# KiCad board st225_20301.kicad_pcb (continued)
## Routing (per net, layer and track width the routed paths; a pad name or vN(x,y) marks a point on that pad's centre or on a via; arc(x,y) is an arc through that point) (continued)
Net-(J6-Pin_5): length 53.1
  Top w0.254: J6.5 119,161.16 119,159.51 118.36,158.88 113.79,158.88 113.41,159.26 R39.2 ; RP10.4 125.98,175.26 125.98,167.64 124.84,166.5 v1(124.71,166.5) ; TP4.1 135.51,179.07 v1(130.43,179.07)
  Bottom w0.254: J6.5 121.16,162.56 122.94,162.56 124.71,164.34 v1(124.71,166.5) ; v1(130.43,179.07) 130.43,177.67 129.29,176.53 RP10.4
  Bottom w0.762: RP6.4 RP10.4
Net-(J7-Pin_11): length 76.7
  Top w0.254: v1(42.04,69.98) 36.07,69.98 35.43,70.61 32.51,70.61 31.75,69.85 27.94,69.85 26.42,71.37 22.85,71.37 22.85,71.37
  Top w0.762: J7.15 J7.9
  Bottom w0.254: v1(42.04,69.98) 42.04,34.29 R62.1 41.91,31.88 41.91,26.8 R61.2 J7.9
Net-(L1-Pad1): length 2.7
  Bottom w0.508: R1.1 60.58,155.07 59.94,154.43
Net-(L2-Pad1): length 3.3
  Bottom w0.508: R2.1 56.13,154.94 56.13,154.31
Net-(Q1-B): length 29.7
  Top w0.254: Q1.3 120.65,56.64 119.25,55.25 v1(119.25,43.18)
  Bottom w0.254: R22.1 116.84,40.01 116.84,40.77 v1(119.25,43.18)
  Bottom w0.762: R20.2 124.97,56.71 Q1.3
Net-(Q2-B): length 65.4
  Top w0.254: R78.1 133.1,91.19 133.1,88.9 131.75,87.55 131.75,82.47 130.68,81.41 130.68,60.96 131.44,60.2 131.44,54.48 134.49,51.44 R82.2 ; 125.03,47.62 127,47.62 127.76,46.86 131.44,46.86 132.33,45.97 132.33,44.83 v1(134.11,43.05)
  Bottom w0.254: v1(134.11,43.05) 135.38,44.32 R82.2
Net-(Q2-E): length 61.3
  Top w1.27: R23.1 116.97,92.46 113.79,89.28 R27.1 115.01,85.27 Q4.1 ; v1(122.68,55.37) 122.68,44.9 Q2.1
  Bottom w1.27: Q4.1 117.09,78.11 118.87,76.33 118.87,69.98 119.25,69.6 119.25,64.01 122.68,60.58 v1(122.68,55.37)
Net-(Q3-B): length 33
  Top w0.508: v1(112.52,80.14) R29.1
  Top w1.016: R28.2 109.47,63.12 111.89,63.12 112.9,64.14 115,64.14
  Bottom w0.254: v1(112.52,80.14) 108.08,80.14 106.3,78.36 106.3,72.26 107.95,70.61 R28.2
Net-(Q4-B): length 18.3
  Top w1.016: R30.1 108.71,86.87 108.71,85.73 110.49,83.95 R49.1 111.12,78.87 112.78,77.22 112.78,74.8 114.55,73.03 Q4.3
Net-(Q5-B): length 25.6
  Top w0.508: Q6.1 102.23,29.46 97.92,33.78 v1(97.92,35.56)
  Bottom w0.508: Q6.1 102.23,28.7 105.16,25.78 105.16,25.53 ; v1(97.92,35.56) 97.92,36.7 99.31,38.1 99.31,43.05 100.46,44.2 Q5.3
Net-(Q6-B): length 11.2
  Bottom w0.508: R18.2 105.28,23.24 101.85,26.67 Q6.2 98.42,25.4 R19.1
Net-(Q7-B): length 25.5
  Top w0.254: Q7.2 118.75,105.03 118.11,104.39 118.11,102.62 118.87,101.85 120.01,101.85 121.54,103.38 122.43,103.38 123.32,102.49 123.32,101.85 123.82,101.35 127.25,101.35 128.14,102.24 128.14,103.25 128.65,103.76 132.21,103.76 135.13,100.84 135.13,100.58 R14.1
Net-(Q8-B): length 49
  Top w0.254: v1(57.66,44.45) 50.8,44.45 v1(50.16,45.09)
  Bottom w0.254: 48.9,35.56 48.9,43.82 v1(50.16,45.09) ; v1(57.66,44.45) 57.91,44.2 57.91,37.97 59.69,36.2 59.69,30.1 61.6,28.19 61.6,26.16 63.5,24.26 65.53,24.26 66.42,23.37 66.42,20.18 RP11.3
Net-(Q8-C): length 53.7
  Top w0.254: v1(46.99,59.82) 45.59,59.82 44.96,59.18 39.5,59.18 36.32,56.01 30.23,56.01 28.83,54.61 26.16,54.61 25.4,55.37 v1(24.13,55.37)
  Bottom w0.254: Q8.3 46.35,52.32 46.99,52.96 v1(46.99,59.82) ; R11.2 22.86,49.66 24.13,50.93 v1(24.13,55.37)
Net-(Q9-B): length 76.3
  Top w0.254: Q9.2 28.45,57.28 35.05,57.28 38.23,60.45 43.94,60.45 45.21,61.72 50.16,61.72 50.8,61.09 58.29,61.09 58.8,61.59 v1(63.5,61.59)
  Bottom w0.254: 67.94,26.28 66.68,27.55 66.68,36.32 63.5,39.5 63.5,50.55 64.77,51.82 64.77,60.33 v1(63.5,61.59)
Net-(Q9-C): length 12.7
  Bottom w0.254: Q9.3 30.48,61.85 28.7,63.63 28.7,71.12 28.57,71.25
Net-(Q10-B): length 31.1
  Top w0.254: 47.13,29.84 53.47,29.84 53.98,29.34 59.05,29.34 60.32,28.07 v1(60.32,27.81) ; RP11.2 67.3,16.76 63.75,16.76 v1(62.74,17.78)
  Bottom w0.254: v1(60.32,27.81) 60.32,25.65 62.74,23.24 v1(62.74,17.78)
Net-(Q10-C): length 69.1
  Top w0.254: R8.2 22.86,58.67 26.16,55.37 28.57,55.37 29.84,56.64 35.56,56.64 38.73,59.82 44.58,59.82 45.85,61.09 48.9,61.09 v1(49.53,60.45)
  Bottom w0.254: v1(49.53,60.45) 49.53,48.51 51.43,46.61 51.43,44.07 53.34,42.16 53.34,37.47 54.48,36.32 54.48,34.8 53.34,33.66 53.34,31.12 49.67,27.45 Q10.3
Net-(Q11-B): length 6.7
  Bottom w0.254: 118.36,134.62 118.36,138.43 119.13,139.19 119.13,140.97
Net-(Q12-B): length 5.6
  Bottom w0.254: R50.1 128.4,129.54 128.4,125.73
Net-(Q12-C): length 2.7
  Bottom w0.508: Q12.3 129.92,129.41 R53.2
Net-(Q13-B): length 4.9
  Bottom w0.254: Q13.2 48.64,108.44 48.64,105.16 R51.1
Net-(Q13-C): length 106.7
  Top w0.254: 4J1.11 12.82,96.77 v1(16.51,96.77) ; 52.08,106.81 51.45,106.17 46.61,106.17 43.43,109.35 38.35,109.35 v1(36.83,110.87) ; v1(26.16,112.65) 29.34,115.82 v1(36.83,115.82)
  Bottom w0.254: RP12.5 19.05,56.13 19.05,59.82 19.56,60.33 19.56,74.55 17.78,76.33 17.78,88.9 19.18,90.3 19.18,92.84 16.51,95.5 v1(16.51,96.77) ; 4J1.10 12.82,99.31 17.02,103.51 17.02,105.28 19.18,107.44 19.18,109.22 22.61,112.65 v1(26.16,112.65)
  Bottom w0.508: v1(36.83,110.87) v1(36.83,115.82)
  Bottom w0.762: 4J1.10 4J1.11
Net-(RP12E-R5.2): length 33.4
  Bottom w0.254: 4J1.1 18.41,87.13 18.41,76.58 20.32,74.68 RP12.6
Net-(RP13C-R3.2): length 84.4
  Top w0.254: 57.4,27.94 1F1.9 56.64,28.7 50.93,28.7 50.55,29.08 48.01,29.08 47.5,28.58 45.72,28.58 43.18,31.12 38.1,31.12 36.2,29.21 28.07,29.21 v1(25.4,31.88)
  Top w0.508: 1H1.8 23.87,34.29 v1(25.4,34.29)
  Bottom w0.254: RP13.4 27.3,70.87 27.3,59.31 29.84,56.77 29.84,49.02 28.7,47.88 28.7,46.36 29.97,45.09 29.97,38.86 v1(25.4,34.29) v1(25.4,31.88)

## Copper pours and planes (outline as drawn; the poured copper is in the pictures)
+5V on Top: 85.47,138.56 95.38,138.56 96.52,137.41 103.89,137.41 105.16,138.68 107.57,138.68 108.33,139.45 108.33,140.59 103,140.59 101.22,138.81 98.68,138.81 95.25,142.24 92.46,142.24 89.92,139.7 85.98,139.7 84.07,141.61 83.69,141.61 83.57,141.48 83.57,140.46
+5V on Bottom: 120.14,127.13 120.14,130.05 126.36,136.27 126.36,139.83 124.71,141.48 122.05,141.48 120.27,143.26 120.27,143.38 117.98,143.38 115.82,141.22 115.82,131.83 119,128.65 119,127.13
+5V on Bottom: 113.41,139.19 113.41,140.46 111.63,142.24 111.63,150.62 110.11,152.15 110.11,154.18 108.71,154.18 108.71,151.77 110.24,150.24 110.24,147.96 109.47,147.19 109.47,141.86 108.08,140.46 108.08,139.19
+5V on Bottom: 117.6,5.21 117.6,12.83 118.11,13.34 121.41,13.34 126.24,18.16 126.24,26.92 121.41,31.75 115.82,31.75 107.95,23.88 107.95,21.59 106.68,20.32 101.98,20.32 100.08,18.42 92.58,18.42 90.93,16.76 90.93,15.88 92.46,15.88 93.73,17.15 105.92,17.15 106.68,16.38 106.68,13.08 107.44,12.32 111.51,12.32 113.54,10.29 113.54,6.48 114.81,5.21
+5V on Bottom: 93.73,129.41 93.73,134.24 95.38,135.89 95.38,138.56 95,138.94 95,139.83 95.12,139.95 95.63,139.95 96.27,139.32 96.27,131.06 94.62,129.41
+12V on Top: 93.34,157.1 93.34,155.19 93.98,154.56 93.98,153.8 101.6,146.18 103.38,146.18 106.43,143.13 107.95,143.13 108.46,142.62 108.46,141.86 109.22,141.1 109.22,134.24 110.11,133.35 113.79,133.35 114.81,132.33 114.81,130.05 116.33,128.52 117.6,128.52 117.86,128.27 117.86,126.87 120.78,123.95 120.78,111.51 119.63,110.36 112.65,110.36 108.2,105.92 108.2,98.3 109.85,98.3 110.11,98.55 110.11,105.54 113.54,108.97 120.14,108.97 122.43,111.25 122.43,127.64 120.65,129.41 119,129.41 113.16,135.25 111.38,135.25 110.24,136.4 110.24,144.53 103.12,151.64 98.55,151.64 95.5,154.69 95.5,155.58 93.98,157.1
+12V on Bottom: 130.17,4.45 130.17,6.6 128.27,8.51 124.97,8.51 124.08,9.4 120.01,9.4 118.49,10.92 118.49,12.7 121.92,12.7 127,17.78 127,26.8 119.51,34.29 117.86,34.29 117.35,33.78 115.7,33.78 109.09,27.18 105.03,27.18 105.03,28.83 105.16,28.96 106.3,28.96 107.19,29.84 109.22,29.84 117.35,37.97 120.14,37.97 121.16,36.96 122.81,36.96 123.19,37.34 127.38,37.34 129.54,35.18 129.54,31.75 127.76,29.97 127.76,28.58 129.67,26.67 129.67,11.94 133.73,7.87 133.73,4.45
+12VA on Bottom: 115.06,18.67 116.59,18.67 122.3,24.38 122.3,26.04 120.4,27.94 118.49,27.94 116.84,26.29 116.84,22.1 115.06,20.32
+12VA on Bottom: 67.06,36.96 64.26,39.75 64.26,49.28 65.28,49.28 67.06,47.5
GND on Top: 2.67,7.49 2.67,11.05 5.08,11.05 6.86,12.83 6.86,28.45 7.49,29.08 7.49,35.05 6.22,36.32 0.76,36.32 0,37.08 0,53.09 -0.13,53.21 0,53.34 2.67,53.34 3.81,54.48 3.81,63.63 5.46,65.28 5.46,86.11 3.43,88.14 3.43,97.16 2.16,98.43 0.89,98.43 -0.13,99.44 -0.13,130.94 1.14,132.21 2.41,132.21 2.79,132.59 2.79,137.54 3.81,138.56 23.62,138.56 29.84,137.92 34.54,138.43 38.61,139.45 46.23,139.7 46.48,139.95 46.48,142.24 48.26,144.02 48.26,145.42 51.56,148.72 51.69,148.72 52.71,149.73 52.83,151.51 55.24,155.7 56.64,161.42 56.64,170.31 54.48,175.13 54.48,190.25 54.61,190.37 65.02,190.37 65.15,190.5 65.15,197.87 65.66,198.37 130.3,198.37 136.4,192.28 136.4,177.67 134.24,177.67 133.35,176.78 133.35,166.75 133.48,166.62 132.08,165.23 131.95,165.23 131.83,165.1 131.83,145.42 133.48,143.76 133.48,134.11 134.62,132.97 136.53,132.97 136.53,98.81 136.14,98.43 134.24,98.43 133.48,97.66 133.48,87.76 131.83,86.11 131.83,65.91 133.48,64.26 133.48,54.36 134.11,53.72 136.27,53.72 136.53,53.47 136.53,38.99 133.1,35.56 128.78,35.56 128.78,30.73 129.16,30.35 129.16,10.16 129.29,10.03 136.27,10.03 136.4,9.91 136.4,1.52 114.05,1.52 114.05,8.76 111.38,11.43 104.14,11.43 104.14,7.75 61.85,7.75 61.85,8.62 61.23,8.96 61.21,9.91 60.2,10.92 29.59,10.92 27.3,8.64 27.3,7.49
GND on Bottom: 133.48,102.24 133.48,106.05 132.08,106.05 129.03,103 129.03,101.47 129.29,101.22 132.46,101.22
GND on Bottom: 50.93,64.52 50.93,67.31 49.02,69.22 47.62,69.22 47.62,64.64 48.64,63.63 50.04,63.63
GND on Bottom: 99.95,153.42 99.95,170.43 98.81,171.58 98.81,173.1 97.54,173.1 97.54,171.07 98.68,169.93 98.68,160.27 97.28,158.88 97.28,154.43 98.3,153.42
GND on Bottom: 110.62,130.56 110.62,136.4 112.52,138.3 113.28,138.3 114.3,137.29 114.3,130.56 113.66,129.92 112.65,129.92 112.27,129.54 111.63,129.54
GND on Bottom: 136.65,28.32 128.4,28.32 128.4,29.72 130.17,31.5 130.17,35.18 128.91,36.45 128.91,37.21 130.17,37.21 131.7,35.69 136.65,35.69
GND on Bottom: 27.3,4.7 27.3,8.76 27.81,9.27 27.81,13.21 27.05,13.97 20.7,13.97 19.81,13.08 14.35,13.08 12.83,14.61 12.83,16.64 10.92,18.54 10.92,36.07 7.87,39.12 7.87,61.21 10.54,63.88 10.54,91.57 9.52,92.58 8.25,92.58 8.25,90.93 8.89,90.3 8.89,87.5 9.65,86.74 9.65,84.2 9.02,83.57 9.02,79.63 9.91,78.74 9.91,73.15 8.89,72.14 8.89,64.64 6.35,62.1 6.35,38.1 10.16,34.29 10.16,17.91 11.43,16.64 11.43,12.7 13.21,10.92 13.34,10.92 13.34,4.7
GND on Bottom: 55.75,190.75 54.74,191.77 54.74,198.12 55.12,198.5 60.71,198.5 62.87,196.34 62.87,192.02 61.6,190.75
GND on Bottom: 93.73,176.66 91.82,178.56 87.5,178.56 85.6,176.66 80.39,176.66 79.38,175.64 79.38,167.39 80.9,165.86 91.69,165.86 91.69,161.8 91.19,161.29 89.28,161.29 89.28,159.39 91.57,159.39 93.73,161.54
GND on Bottom: 7.11,33.02 3.3,36.83 3.3,38.99 3.17,39.12 0,39.12 0,28.45 5.71,28.45 7.11,29.84
Net-(5F1A-E) on Bottom: 54.36,116.33 62.61,116.33 62.74,116.46 62.74,117.73 61.21,117.73 61.21,121.41 62.48,121.41 62.48,122.68 54.36,122.68 54.36,121.41 56.01,121.41 56.01,117.73 54.36,117.73
Net-(5H1B-DI+) on Bottom: 50.8,136.14 48.39,138.56 45.47,138.56 45.34,138.68 45.34,141.35 44.07,141.35 44.07,138.81 40.39,138.81 35.69,134.11 35.69,133.22 36.96,133.22 37.72,133.99 42.8,133.99 49.78,127 50.8,127
Net-(5H1B-DI-) on Bottom: 35.05,123.06 35.05,126.11 37.72,128.78 37.72,133.1 38.73,133.1 41.02,130.81 41.02,126.75 40.89,126.62 37.34,126.62 36.32,125.6 36.32,123.06

## Text on the board
Bottom: 0 | 2 | J2 | J7 | 34 | J5 | J1 | 7 | 8 | 5 | 4 | 3 | 1 | J6 | J4 | J3 | CONTROL ST-225 | ASSY 20301 REV | SEAGATE TECHNOLOGY
User.Drawings: This work is licensed under a Creative Commons / Attribution-ShareAlike 4.0 International License. / See https://creativecommons.org/licenses/by-sa/4.0/. | ASSY 20301 / Reverse Engineered by Tube Time | ST-225 CONTROL
Top: REV P1380 | 20302-001
